# Altium PCB ImmPCB2.PCBDOC (part 1 of 4) (continued)
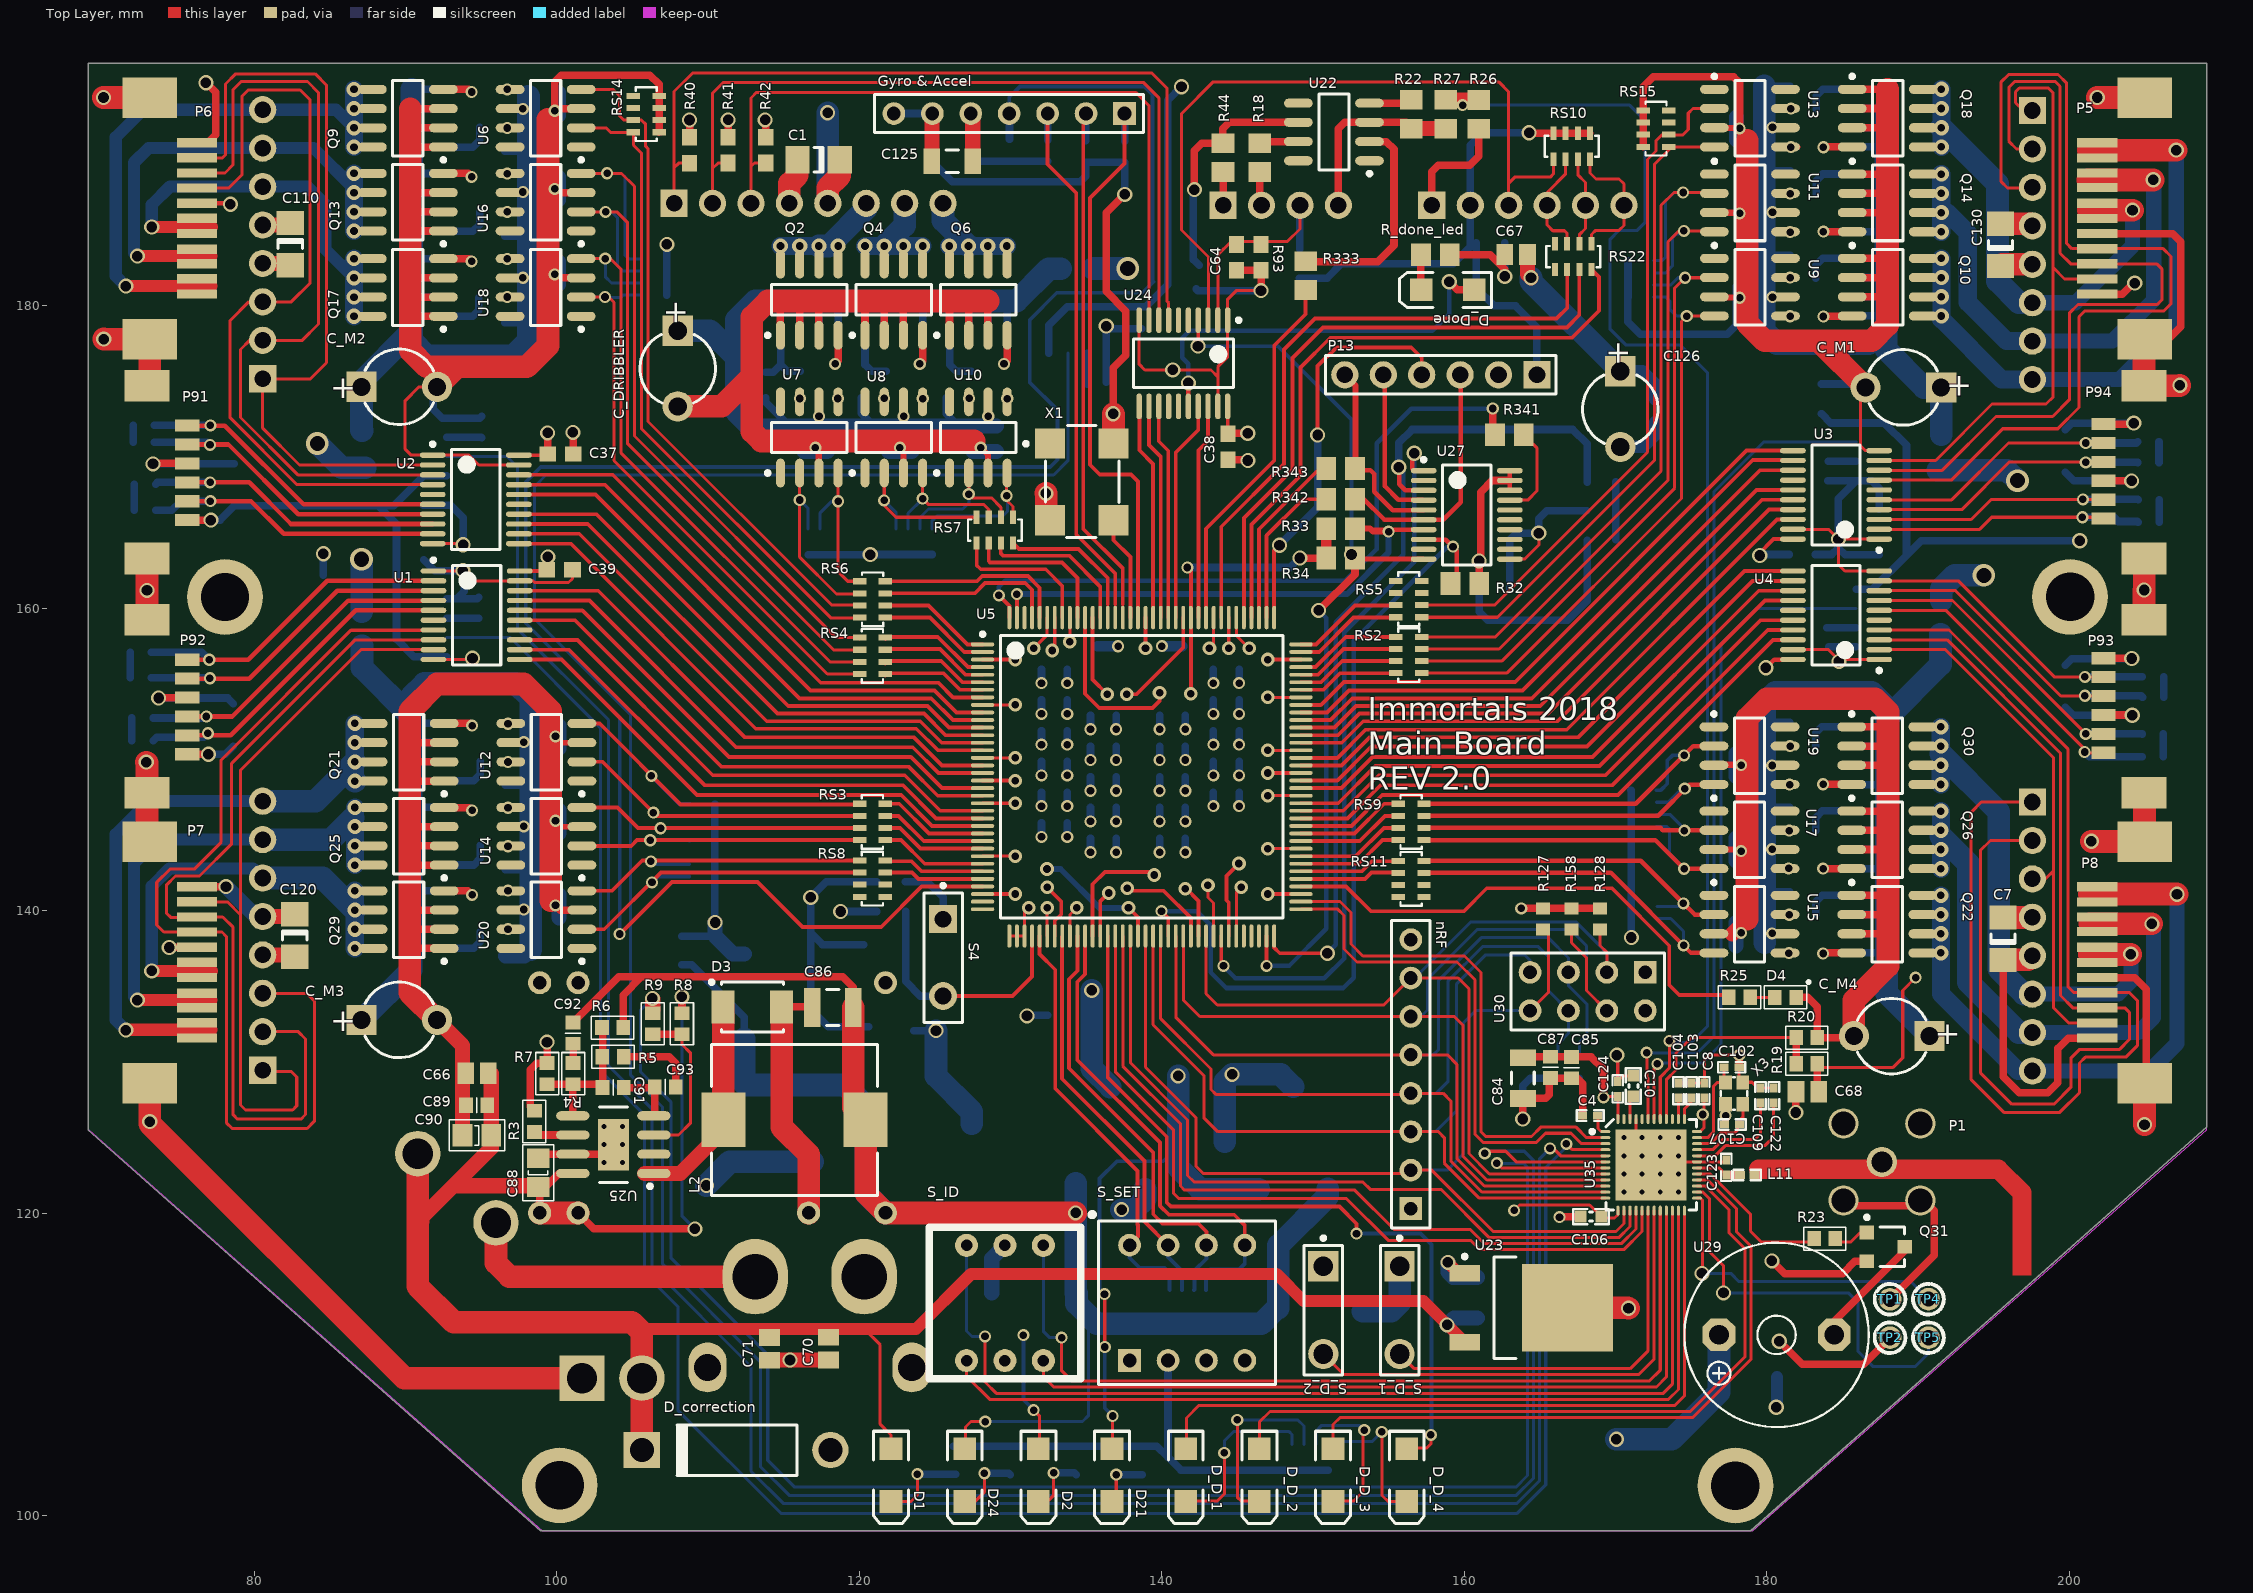
[diagram p0: Top Layer view]
## Components (designator, comment, footprint, x,y, rotation, side; value= is the part's Value field where it differs from the comment)
B1 "XT60PW" XT60PW 113.13,115.8 r0 bottom
Booster "S6B-XH-A" S6B-XH-A 165.482,186.62 r0 bottom
C1 "Cap 100nF 1206" C1206#1 117.32,189.63 r180 top
C2 "Cap 100nF 1206" C1206#1 78.64,152.27 r90 bottom
C3 "Cap 100nF 1206" C1206#1 78.69,168.15 r90 bottom
C4 "Cap 100nF 0402" CAPC1005X04L 168.33,126.44 r180 top
C5 "Cap 100nF 1206" C1206#1 179.27,109.15 r0 bottom
C6 "Cap 100nF 1206" C1206#1 199.53,154.83 r270 bottom
C7 "Cap 100nF 1206" C1206#1 195.62,138.14 r90 top
C8 "Cap 100nF 0402" CAPC1005X04L 175.87,128.1 r90 top
C9 "Cap 100nF 1206" C1206#1 199.55,170.38 r270 bottom
C10 "Cap 1uF 0603" CAPC1608X06L 171.18,128.4 r270 top
C11 "Cap 1uF 0603" 1608[0603]#1 140.716,150.876 r180 bottom
C12 "Cap 100nF 0603" 1608[0603]#1 140.716,146.812 r180 bottom
C13 "Cap 10nF 0603" 1608[0603]#1 140.716,152.908 r180 bottom
C14 "Cap 1uF 0603" 1608[0603]#1 144.272,153.924 r0 bottom
C15 "Cap 10nF 0603" 1608[0603]#1 144.272,147.828 r0 bottom
C16 "Cap 100nF 0603" 1608[0603]#1 144.272,149.86 r0 bottom
C17 "Cap 100nF 0603" 1608[0603]#1 132.906,149.86 r180 bottom
C18 "Cap 100nF 0603" 1608[0603]#1 132.906,153.924 r180 bottom
C19 "Cap 100nF 0603" 1608[0603]#1 117.894,171.188 r90 bottom
C20 "Cap 100nF 1206" C1206#2 121.99,132.66 r180 bottom
C21 "Cap 100nf 0805" 2012[0805] 161.72,183.61 r0 bottom
C22 "Cap 1uF 0603" 1608[0603]#1 116.37,171.188 r90 bottom
C23 "Cap 1uF 0603" 1608[0603]#1 132.906,145.796 r180 bottom
C24 "Cap 10nF 0603" 1608[0603]#1 144.272,155.956 r0 bottom
C25 "Cap 10nF 0603" 1608[0603]#1 132.906,155.956 r180 bottom
C26 "Cap 100nF 0603" 1608[0603]#1 121.958,171.188 r90 bottom
C27 "Cap 1uF 0603" 1608[0603]#1 123.482,171.188 r90 bottom
C28 "Cap 100nF 0603" 1608[0603]#1 127.546,171.188 r90 bottom
C29 "Cap 1uF 0603" 1608[0603]#1 129.07,171.188 r90 bottom
C30 "Cap 100nF 0603" 1608[0603]#1 99.27,194.084 r180 bottom
C31 "Cap 10uF 1206" C1206#2 142.75,127.05 r180 bottom
C32 "Cap 1uF 0603" 1608[0603]#1 99.27,192.56 r180 bottom
C33 "Cap 10nF 0603" 1608[0603]#1 136.144,152.908 r180 bottom
C34 "Cap 100nF 0603" 1608[0603]#1 136.144,146.812 r180 bottom
C35 "Cap 10nF 0603" 1608[0603]#1 136.144,144.78 r180 bottom
C36 "Cap 1uF 0603" 1608[0603]#1 136.144,150.876 r180 bottom
C37 "Cap 100nF 0603" 1608[0603]#1 100.26,170.17 r180 top
C38 "Cap 100nF 0603" 1608[0603]#1 144.38,170.66 r90 top
C39 "Cap 100nF 0603" 1608[0603]#1 100.2,162.53 r180 top
C40 "Cap 100nF 0603" 1608[0603]#1 178.852,179.758 r0 bottom
C41 "Cap 1uF 0603" 1608[0603]#1 178.852,181.282 r0 bottom
C42 "Cap 100nF 0603" 1608[0603]#1 99.27,186.972 r180 bottom
C43 "Cap 1uF 0603" 1608[0603]#1 99.27,188.496 r180 bottom
C44 "Cap 100nF 0603" 1608[0603]#1 178.852,185.346 r0 bottom
C45 "Cap 1uF 0603" 1608[0603]#1 178.852,186.87 r0 bottom
C46 "Cap 100nF 0603" 1608[0603]#1 99.27,181.384 r180 bottom
C47 "Cap 1uF 0603" 1608[0603]#1 99.27,182.908 r180 bottom
C48 "Cap 100nF 0603" 1608[0603]#1 178.852,190.934 r0 bottom
C49 "Cap 1uF 0603" 1608[0603]#1 178.852,192.458 r0 bottom
C50 "Cap 100nF 0603" 1608[0603]#1 99.32,150.702 r180 bottom
C51 "Cap 1uF 0603" 1608[0603]#1 99.32,152.226 r180 bottom
C52 "Cap 100nF 0603" 1608[0603]#1 178.822,137.678 r0 bottom
C53 "Cap 1uF 0603" 1608[0603]#1 178.822,139.202 r0 bottom
C54 "Cap 100nF 0603" 1608[0603]#1 99.32,146.638 r180 bottom
C55 "Cap 1uF 0603" 1608[0603]#1 99.32,145.114 r180 bottom
C56 "Cap 100nF 0603" 1608[0603]#1 178.822,143.266 r0 bottom
C57 "Cap 1uF 0603" 1608[0603]#1 178.822,144.79 r0 bottom
C58 "Cap 100nF 0603" 1608[0603]#1 99.32,139.526 r180 bottom
C59 "Cap 1uF 0603" 1608[0603]#1 99.32,141.05 r180 bottom
C60 "Cap 100nF 0603" 1608[0603]#1 178.822,150.378 r0 bottom
C61 "Cap 1uF 0603" 1608[0603]#1 178.822,148.854 r0 bottom
C62 "Cap 10uF 1206" C1206#2 133.83,133.07 r0 bottom
C63 "Cap 100nF 0805" C0805#1 108.27,137.36 r90 bottom
C64 "Cap 100nF 0603" 1608[0603]#1 144.94,183.18 r90 top
C65 "Cap 100nF 0805" C0805#1 183.62,173.8 r90 bottom
C66 "Cap 1uF 0805" C0805#2 94.74,129.24 r180 top
C67 "Cap 1uF 0805" C0805#2 163.43,183.38 r180 top
C68 "Cap 1uF 0805" C0805#2 182.68,128.02 r180 top
C69 "Cap 1uF 0805" C0805#2 85.34,162.18 r180 bottom
C70 "Cap 1uF 0805" C0805#2 117.97,111.04 r270 top
C71 "Cap 1uF 0805" C0805#2 114.08,111.03 r270 top
C72 "Cap 100nF 0805" C0805#1 162.05,161.29 r0 bottom
C73 "Cap 10nF 0603" 1608[0603]#1 140.716,148.844 r180 bottom
C74 "Cap 10nF 0603" 1608[0603]#1 140.716,144.78 r180 bottom
C75 "Cap 10nF 0603" 1608[0603]#1 136.144,148.844 r180 bottom
C76 "Cap 100nF 0603" 1608[0603]#1 182.35,163.54 r180 bottom
C77 "Cap 10nF 0603" 1608[0603]#1 132.906,151.892 r180 bottom
C78 "Cap 10nF 0603" 1608[0603]#1 132.906,147.828 r180 bottom
C79 "Cap 10nF 0603" 1608[0603]#1 144.272,151.892 r0 bottom
C80 "Cap 100uF 2512" 6332[2512] 138.564,157.48 r180 bottom
C81 "Cap 1uF 0805" C0805#2 172.62,173.03 r270 bottom
C82 "Cap 100nF 0603" C0603 159,114.45 r270 bottom
C83 "Cap 10uF 1206" C1206#2 160.86,114.41 r270 bottom
C84 "Cap 10uF 1206" C1206#2 163.88,128.93 r90 top
C85 "Cap 100nF 0603" C0603 167.1,129.62 r90 top
C86 "Cap 100uF 1210" C1210 118.26,133.59 r0 top
C87 "Cap 100nF 0603" C0603 165.7,129.63 r90 top
C88 "Cap 10uF 0805" C[0805] 98.92,122.6 r90 top
C89 "Cap 220nF 0603" C0603 94.71,127.13 r180 top
C90 "Cap 10uF 0805" C[0805] 94.81,125.27 r180 top
C91 "Cap 220pF 0603" C0603 103.74,128.3 r0 top
C92 "Cap 6.8nF 0603" C0603 101.08,131.9 r270 top
C93 "Cap 100nF 0603" C0603 107.18,128.34 r180 top
C94 "Cap 1nF 0603" 1608[0603]#2 72.51,157.08 r0 bottom
C95 "Cap 1nF 0603" 1608[0603]#2 205.24,165.68 r180 bottom
C96 "Cap 1nF 0603" 1608[0603]#2 72.63,152.73 r0 bottom
C97 "Cap 1nF 0603" 1608[0603]#2 205.23,169.62 r180 bottom
C98 "Cap 1nF 0603" 1608[0603]#2 72.72,172.07 r0 bottom
C99 "Cap 1nF 0603" 1608[0603]#2 205.51,150.37 r180 bottom
C100 "Cap 1nF 0603" 1608[0603]#2 72.79,168.19 r0 bottom
C101 "Cap 1nF 0603" 1608[0603]#2 205.54,154.11 r180 bottom
C102 "Cap 12pF 0402" CAPC1005X04L 177.68,129.64 r0 top
C103 "Cap 12pF 0402" CAPC1005X04L 175.02,128.1 r90 top
C104 "Cap 12pF 0402" CAPC1005X04L 174.17,128.1 r90 top
C106 "Cap 4.7uF 0603" CAPC1608X06L 168.39,119.77 r180 top
C107 "Cap 12pF 0402" CAPC1005X04L 177.71,125.86 r180 top
C109 "Cap 100pF 0402" CAPC1005X04L 179.58,127.77 r90 top
C110 "Cap 100nF 1206" C1206#1 82.4,184.06 r270 top
C111 "Cap 100nF 0603" 1608[0603]#2 138.69,179.16 r270 bottom
C112 "Cap 1nF 0603" 1608[0603]#2 135.77,174.79 r0 bottom
C113 "Cap 100nF 0603" 1608[0603]#2 90.51,166.91 r0 bottom
C114 "Cap 100nF 0603" 1608[0603]#2 188.14,166.53 r180 bottom
C115 "Cap 1nF 0603" 1608[0603]#2 95.04,171.92 r90 bottom
C116 "Cap 1nF 0603" 1608[0603]#2 183.99,169.06 r270 bottom
C117 "Cap 100nF 0603" 1608[0603]#2 90.52,163.19 r0 bottom
C118 "Cap 100nF 0603" 1608[0603]#2 188.15,163.52 r180 bottom
C119 "Cap 1nF 0603" 1608[0603]#2 94.85,160.01 r90 bottom
C120 "Cap 100nF 1206" C1206#1 82.69,138.35 r270 top
C121 "Cap 1nF 0603" 1608[0603]#2 183.97,158.05 r270 bottom
C122 "N.C." CAPC1005X04L 180.47,127.77 r270 top
C123 "Cap 0.8pF 0402" CAPC1005X04L 177.32,123.02 r270 top
C124 "Cap 100nF 0402" CAPC1005X04L 170.15,128.21 r90 top
C125 "Cap 100nF 1206" C1206#2 126.16,189.53 r0 top
C126 "Cap 680uF dip" CAPPR5-5x5 170.32,173.15 r270 top
C130 "Cap 100nF 1206" C1206#1 195.46,184 r90 top
C_1 "Cap 100uF 2512" 6332[2512] 131.57,114.71 r180 bottom
C_16 "Cap 100uF 2512" 6332[2512] 112.44,125.74 r270 bottom
C_17 "Cap 100uF 2512" 6332[2512] 150.51,113.52 r0 bottom
C_19 "Cap 100uF 2512" 6332[2512] 112.41,134.33 r90 bottom
C_DRIBBLER "Cap 680uF dip" CAPPR5-5x5 108.01,175.83 r270 top
C_IR "Cap 100nF 0805" C0805#1 142.49,181.7 r270 bottom
C_M1 "Cap 680uF dip" CAPPR5-5x5 189.03,174.58 r180 top
C_M2 "Cap 680uF dip" CAPPR5-5x5 89.6,174.62 r0 top
C_M3 "Cap 680uF dip" CAPPR5-5x5 89.6,132.77 r0 top
C_M4 "Cap 680uF dip" CAPPR5-5x5 188.26,131.7 r180 top
D1 "LED Red 1206" "3.2X1.6X1.1 - RED" 122.11,102.68 r270 top
D2 "LED Green 1206" "3.2X1.6X1.1 - GREEN" 131.85,102.68 r270 top
D3 "SSB44" DIOM4336X24N 112.95,133.63 r0 top
D4 "LED Red 0603" "LED 0603" 181.24,134.26 r0 top
D21 "LED White 1206" "3.2X1.6X1.1 - WHITE" 136.72,102.68 r270 top
D24 "LED Yellow 1206" "3.2X1.6X1.1 - YELLOW" 126.98,102.68 r270 top
D_correction "1.5KE20" DO-41 112.87,104.34 r180 top
D_D_1 "LED Red 1206" "3.2X1.6X1.1 - RED" 141.59,102.68 r270 top
D_D_2 "LED Yellow 1206" "3.2X1.6X1.1 - YELLOW" 146.46,102.68 r270 top
D_D_3 "LED Green 1206" "3.2X1.6X1.1 - GREEN" 151.33,102.68 r270 top
D_D_4 "LED Blue 1206" "3.2X1.6X1.1 - BLUE" 156.2,102.68 r270 top
D_Done "LED Green 1206" "3.2X1.6X1.1 - GREEN" 158.92,181.03 r180 top
Dribbler "S8B-XH-A" S8B-XH-A-1 115.39,186.75 r0 bottom
"Gyro & Accel" "N.C." Gyro_7pin 137.54,192.69 r0 top
IR "S4B-XH-A" S4B-XH-A 151.682,186.62 r0 bottom (schematic designator P2)
L2 "Inductor 22uH" INDP110100X50N 115.73,126.16 r180 top
L11 "Inductor 3.9nH 0402" INDC1005X04L 178.7,122.52 r0 top
MikonaPOW "DS1072-2M-R" DS1072-2M&F-R 101.68,109.09 r0 bottom
MOTOR_1 "S8B-XH-A" S8B-XH-A-1 197.56,185.265 r270 bottom
MOTOR_2 "S8B-XH-A" S8B-XH-A-1 80.57,182.78 r90 bottom
MOTOR_3 "S8B-XH-A" S8B-XH-A-1 80.57,137.07 r90 bottom
MOTOR_4 "S8B-XH-A" S8B-XH-A-1 197.56,139.555 r270 bottom
nRF "N.C." HDR1X8 156.47,120.3 r90 top
P1 "SMA Right" "SMA Right" 187.61,123.38 r90 top
P4 "Rocker Switch" Rocker_SW 95.99,119.36 r138.5 bottom
P5 "TYCO" TYCO 201.85,180.752 r90 top
P6 "TYCO" TYCO 76.23,190.76 r270 top
P7 "TYCO" TYCO 76.23,141.58 r270 top
P8 "TYCO" TYCO 201.85,131.572 r90 top
P13 "Male Header 6-pin" HDR1X6 164.81,175.42 r180 top
P91 "Molex PicoBlade 6 Right" "Molex PicoBlade 6 Right SMD" 75.59,165.81 r90 top
P92 "Molex PicoBlade 6 Right" "Molex PicoBlade 6 Right SMD" 75.59,150.33 r90 top
P93 "Molex PicoBlade 6 Right" "Molex PicoBlade 6 Right SMD" 202.27,156.68 r270 top
P94 "Molex PicoBlade 6 Right" "Molex PicoBlade 6 Right SMD" 202.27,172.16 r270 top
Q1 "FDS4435" SO-8_L 116.714,180.381 r90 bottom
Q2 "FDD4410" SO-8_L 116.708,180.381 r90 top
Q3 "FDS4435" SO-8_L 122.292,180.381 r90 bottom
Q4 "FDD4410" SO-8_L 122.296,180.381 r90 top
Q5 "FDS4435" SO-8_L 127.886,180.381 r90 bottom
Q6 "FDD4410" SO-8_L 127.884,180.381 r90 top
Q7 "FDS4435" SO-8_L 90.17,192.38 r180 bottom
Q8 "FDS4435" SO-8_L 187.996,181.208 r0 bottom
Q9 "FDD4410" SO-8_L 90.17,192.378 r180 top
Q10 "FDD4410" SO-8_L 187.996,181.208 r0 top
Q11 "FDS4435" SO-8_L 90.17,186.821 r180 bottom
Q12 "FDS4435" SO-8_L 187.996,186.786 r0 bottom
Q13 "FDD4410" SO-8_L 90.17,186.826 r180 top
Q14 "FDD4410" SO-8_L 187.996,186.778 r0 top
Q15 "FDS4435" SO-8_L 90.17,181.185 r180 bottom
Q16 "FDS4435" SO-8_L 187.996,192.388 r0 bottom
Q17 "FDD4410" SO-8_L 90.17,181.19 r180 top
Q18 "FDD4410" SO-8_L 187.996,192.386 r0 top
Q19 "FDS4435" SO-8_L 90.22,150.47 r180 bottom
Q20 "FDS4435" SO-8_L 187.97,139.108 r0 bottom
Q21 "FDD4410" SO-8_L 90.22,150.466 r180 top
Q22 "FDD4410" SO-8_L 187.966,139.102 r0 top
Q23 "FDS4435" SO-8_L 90.22,144.912 r180 bottom
Q24 "FDS4435" SO-8_L 187.97,144.678 r0 bottom
Q25 "FDD4410" SO-8_L 90.22,144.91 r180 top
Q26 "FDD4410" SO-8_L 187.966,144.672 r0 top
Q27 "FDS4435" SO-8_L 90.22,139.402 r180 bottom
Q28 "FDS4435" SO-8_L 187.966,150.228 r0 bottom
Q29 "FDD4410" SO-8_L 90.22,139.4 r180 top
Q30 "FDD4410" SO-8_L 187.966,150.24 r0 top
Q31 "MMBT2222" SOT23 187.87,117.77 r270 top
R1 "Res 1K 0805" 2012[0805] 126.37,103.95 r90 bottom
R2 "Res 1K 0805" 2012[0805] 134.37,103.93 r270 bottom
R2.5 "Res 82 1206" 3216[1206] 142.78,124.71 r180 bottom
R3 "N.I" R0603 98.53,126.06 r270 top
R4 "Res 130 0603" R0603 101.09,129.22 r90 top
R5 "Res 680 0603" R0603 103.73,130.34 r0 top
R6 "Res 5.1K 0603" R0603 103.7,132.26 r0 top
R7 "Res 698 0603" R0603 99.37,129.22 r270 top
R8 "N.I" R0603 108.29,132.52 r270 top
R9 "Res 0 0603" R0603 106.36,132.52 r270 top
R10 "Res 120 0603" 1608[0603]#2 72.51,155.4 r180 bottom
R11 "Res 120 0603" 1608[0603]#2 205.25,167.15 r0 bottom
R12 "Res 120 0603" 1608[0603]#2 72.63,151.22 r180 bottom
R13 "Res 120 0603" 1608[0603]#2 205.22,171 r0 bottom
R14 "Res 120 0603" 1608[0603]#2 72.72,170.79 r180 bottom
R15 "Res 120 0603" 1608[0603]#2 205.51,151.71 r0 bottom
R16 "Res 120 0603" 1608[0603]#2 72.79,166.46 r180 bottom
R17 "Res 120 0603" 1608[0603]#2 205.53,155.47 r0 bottom
R18 "Res 220 0805" 2012[0805] 146.49,189.77 r270 top (schematic designator R333)
R19 "Res 27K 0603" R0603 182.64,129.87 r0 top
R20 "Res 3.6K 0603" R0603 182.64,131.6 r180 top
R21 "Res 1K 0805" 2012[0805] 138.65,103.92 r270 bottom
R22 "Res 200 0805" 2012[0805] 156.49,192.64 r270 top
R23 "Res 100 0603" R0603 183.83,118.31 r180 top
R24 "Res 1K 0805" 2012[0805] 129.99,103.93 r270 bottom
R25 "Res 330 0603" R0603 178.2,134.27 r0 top
R26 "Res 1K 0805" 2012[0805] 160.96,192.63 r270 top (schematic designator R31)
R27 "Res 1K 0805" 2012[0805] 158.77,192.64 r270 top (schematic designator R31)
R30 "1K Array" RES-0603x4 148.61,104.7 r0 bottom
R31 "Res 100 0805" 2012[0805] 169.07,168.33 r0 bottom
R32 "Res 4.7K 0805" 2012[0805] 160.04,161.62 r180 top
R33 "Res 4.7K 0805" 2012[0805] 151.832,165.248 r180 top
R34 "Res 330 0805" 2012[0805] 151.832,163.304 r0 top
R40 "Res 1K 0603" 1608[0603]#1 108.79,190.26 r270 top
R41 "Res 1K 0603" 1608[0603]#1 111.34,190.27 r270 top
R42 "Res 1K 0603" 1608[0603]#1 113.83,190.27 r270 top
R44 "Res 220 0805" 2012[0805] 144.05,189.77 r90 top
R47 "Res 50 0603" 1608[0603]#1 115.862,174.744 r90 bottom
R48 "Res 50 0603" 1608[0603]#1 118.492,174.744 r90 bottom
R49 "Res 50 0603" 1608[0603]#1 121.788,174.744 r90 bottom
R50 "Res 50 0603" 1608[0603]#1 124.08,174.744 r90 bottom
R51 "Res 50 0603" 1608[0603]#1 127.396,174.744 r90 bottom
R52 "Res 50 0603" 1608[0603]#1 129.668,174.744 r90 bottom
R55 "Res 10K 0805" 2012[0805] 149.1,182.76 r270 bottom
R59 "Res 50 0603" 1608[0603]#1 95.714,191.794 r180 bottom
R60 "Res 50 0603" 1608[0603]#1 182.408,181.78 r0 bottom
R61 "Res 50 0603" 1608[0603]#1 95.714,194.084 r180 bottom
R62 "Res 50 0603" 1608[0603]#1 182.408,179.25 r0 bottom
R65 "Res 50 0603" 1608[0603]#1 95.714,186.236 r180 bottom
R66 "Res 50 0603" 1608[0603]#1 182.408,187.378 r0 bottom
R67 "Res 50 0603" 1608[0603]#1 95.714,188.496 r180 bottom
R68 "Res 50 0603" 1608[0603]#1 182.408,184.918 r0 bottom
R71 "Res 50 0603" 1608[0603]#1 95.714,180.508 r180 bottom
R72 "Res 50 0603" 1608[0603]#1 182.408,192.966 r0 bottom
R73 "Res 50 0603" 1608[0603]#1 95.714,182.908 r180 bottom
R74 "Res 50 0603" 1608[0603]#1 182.408,190.416 r0 bottom
R77 "Res 50 0603" 1608[0603]#1 95.764,149.866 r180 bottom
R78 "Res 50 0603" 1608[0603]#1 182.378,139.67 r0 bottom
R79 "Res 50 0603" 1608[0603]#1 95.764,152.226 r180 bottom
R80 "Res 50 0603" 1608[0603]#1 182.378,137.17 r0 bottom
R83 "Res 50 0603" 1608[0603]#1 95.764,144.298 r180 bottom
R84 "Res 50 0603" 1608[0603]#1 182.378,145.238 r0 bottom
R85 "Res 50 0603" 1608[0603]#1 95.764,146.748 r180 bottom
R86 "Res 50 0603" 1608[0603]#1 182.378,142.818 r0 bottom
R89 "Res 50 0603" 1608[0603]#1 95.764,138.83 r180 bottom
R90 "Res 50 0603" 1608[0603]#1 182.378,150.806 r0 bottom
R91 "Res 50 0603" 1608[0603]#1 95.764,141.1 r180 bottom
R92 "Res 50 0603" 1608[0603]#1 182.378,148.376 r0 bottom
R93 "Res 470 0603" 1608[0603]#1 146.57,183.18 r90 top
R122 "Res 100 0805" 2012[0805] 122.1,141.9 r0 bottom
R127 "Res 10K 0603" 1608[0603]#2 165.21,139.44 r270 top
R128 "Res 10K 0603" 1608[0603]#2 168.98,139.44 r270 top
R129 "Res 5.6K 0603" 1608[0603]#1 113.83,174.744 r90 bottom
R130 "Res 5.6K 0603" 1608[0603]#1 120.144,174.744 r90 bottom
R135 "Res 5.6K 0603" 1608[0603]#1 125.762,174.744 r90 bottom
R136 "Res 5.6K 0603" 1608[0603]#1 95.714,190.19 r180 bottom
R137 "Res 5.6K 0603" 1608[0603]#1 182.408,183.314 r0 bottom
R138 "Res 5.6K 0603" 1608[0603]#1 95.714,184.582 r180 bottom
R139 "Res 5.6K 0603" 1608[0603]#1 182.408,188.902 r0 bottom
R140 "Res 5.6K 0603" 1608[0603]#1 95.714,178.844 r180 bottom
R141 "Res 5.6K 0603" 1608[0603]#1 182.408,194.53 r0 bottom
R142 "Res 5.6K 0603" 1608[0603]#1 95.764,148.292 r180 bottom
R143 "Res 5.6K 0603" 1608[0603]#1 182.378,141.234 r0 bottom
R144 "Res 5.6K 0603" 1608[0603]#1 95.764,142.694 r180 bottom
R145 "Res 5.6K 0603" 1608[0603]#1 182.378,146.822 r0 bottom
R146 "Res 5.6K 0603" 1608[0603]#1 95.764,136.986 r180 bottom
R147 "Res 5.6K 0603" 1608[0603]#1 182.378,152.46 r0 bottom
R149 "Res 1K 0603" 1608[0603]#2 134.99,190.18 r90 bottom
R150 "Res 1K 0603" 1608[0603]#2 137.56,190.17 r90 bottom
R155 "Res 1K 0603" 1608[0603]#2 129.94,190.29 r270 bottom
R156 "Res 10K 0603" 1608[0603]#2 166.208,129.63 r270 bottom
R157 "Res 10K 0603" 1608[0603]#2 167.608,129.62 r270 bottom
R158 "Res 10K 0603" 1608[0603]#2 167.095,139.44 r270 top
R159 "Res 1K 0603" 1608[0603]#2 132.48,190.24 r270 bottom
R333 "Res 200 0805" 2012[0805] 149.52,181.97 r270 top
R341 "Res 68 0805" 2012[0805] 162.984,171.46 r180 top
R342 "Res 68 0805" 2012[0805] 151.832,167.192 r180 top
R343 "Res 68 0805" 2012[0805] 151.832,169.224 r180 top
R345 "Res 100 0805" 2012[0805] 169.08,164.494 r0 bottom
R346 "Res 100 0805" 2012[0805] 169.06,166.42 r0 bottom
R(rst) "Res 1K 0805" 2012[0805] 122.12,139.94 r0 bottom
R_done_led "Res 1K 0805" 2012[0805] 158.09,183.36 r180 top
RS1 "10K Array" RES-4B 141.74,114.06 r180 bottom
RS2 "220R Array" RES-4B 156.33,156.89 r270 top
RS3 "220R Array" RES-4B 120.88,145.86 r270 top
RS4 "220R Array" RES-4B 120.88,156.84 r90 top
RS5 "220R Array" RES-4B 156.33,160.59 r270 top
RS6 "220R Array" RES-4B 120.89,160.57 r90 top
RS7 "220R Array" RES-4B 128.97,165.15 r180 top
RS8 "220R Array" RES-4B 120.88,142.11 r270 top
RS9 "220R Array" RES-4B 156.49,145.86 r270 top
RS10 "10k Array" RES-4B 167.11,190.52 r180 top
RS11 "220R Array" RES-4B 156.49,142.09 r270 top
RS12 "10K Array" RES-4B 123.63,164.39 r0 bottom
RS13 "10K Array" RES-4B 109.62,141.86 r90 bottom
RS14 "10K Array" RES-4B 105.93,192.65 r270 top
RS15 "10K Array" RES-4B 172.68,191.69 r90 top
RS16 "10K Array" RES-4B 171.87,146.76 r90 bottom
RS17 "10K Array" RES-4B 117.83,164.38 r180 bottom
RS18 "10K Array" RES-4B 109.63,145.84 r90 bottom
RS19 "10K Array" RES-4B 171.68,181.76 r270 bottom
RS20 "10K Array" RES-4B 171.88,140.68 r90 bottom
RS21 "10K Array" RES-4B 106.44,181.88 r270 bottom
RS22 "220R Array" RES-4B 167.21,183.23 r0 top
RST_CAP_1 "Cap 1uF 1206" 3216[1206] 121.7,137.74 r0 bottom
S4 "SW-PB" SPST-2#1 125.55,136.89 r270 top
S_D_1 "SW-PB" SPST-2#2 155.73,113.59 r270 top
S_D_2 "SW-PB" SPST-2#2 150.69,113.59 r270 top
S_ID "ERD116RSZ" ERD116RSZ 127.1,110.25 r0 top
S_SET "SW-DIP4" DIP-8-SW 141.69,114.07 r0 top
TP1 "TP" TP 187.9,114.31 r0 top
TP2 "TP" TP 187.9,111.77 r0 top
TP4 "TP" TP 190.44,114.317 r0 top
TP5 "TP" TP 190.44,111.77 r0 top
U1 "SN74HC541PW" PW020_N 94.71,159.52 r0 top
U2 "SN74HC541PW" PW020_N 94.66,167.18 r0 top
U3 "SN74HC541PW" PW020_N 184.58,167.48 r180 top
U4 "SN74HC541PW" PW020_N 184.58,159.52 r180 top
U5 "XC3S400-5TQ144C" TQ144_L 138.684,148.844 r0 top
U6 "MIC4428BM" NSO8_L 99.276,192.378 r180 top
U7 "MIC4428BM" NSO8_L 116.708,171.275 r90 top
U8 "MIC4428BM" NSO8_L 122.296,171.275 r90 top
U9 "MIC4428BM" NSO8_L 178.89,181.208 r0 top
U10 "MIC4428BM" NSO8_L 127.884,171.275 r90 top
U11 "MIC4428BM" NSO8_L 178.89,186.778 r0 top
U12 "MIC4428BM" NSO8_L 99.326,150.466 r180 top
U13 "MIC4428BM" NSO8_L 178.89,192.386 r0 top
U14 "MIC4428BM" NSO8_L 99.326,144.91 r180 top
U15 "MIC4428BM" NSO8_L 178.86,139.102 r0 top
U16 "MIC4428BM" NSO8_L 99.276,186.826 r180 top
U17 "MIC4428BM" NSO8_L 178.86,144.672 r0 top
U18 "MIC4428BM" NSO8_L 99.276,181.19 r180 top
U19 "MIC4428BM" NSO8_L 178.86,150.24 r0 top
U20 "MIC4428BM" NSO8_L 99.326,139.4 r180 top
U21 "LF25ABDT" TO-252 148.69,124.97 r180 bottom
U22 "MIC4428BM" NSO8_L 151.39,191.47 r180 top
U23 "LD1086DT33" DPAK 164.43,113.75 r0 top
U24 "SN74HC541PW" PW020_N 141.44,176.18 r270 top
U25 "A7986" HSOP8 103.75,124.53 r180 top
U26 "FAN1112" TO-252 136.61,124.96 r180 bottom
U27 "XCF04SVO20C" VO20_N 160.168,166.156 r0 top
U28 "ACS712ELCTR-30A-T" SOIC_8 132.53,182.45 r270 bottom
U29 "Small Buzzer" my_BUZZER 184.46,111.95 r180 top
U30 "NRF24L01" NRF24L01 171.97,135.92 r270 top
U31 "ACS712ELCTR-30A-T" SOIC_8 87.13,168.74 r0 bottom
U32 "ACS712ELCTR-30A-T" SOIC_8 191.53,172.23 r180 bottom
U33 "ACS712ELCTR-30A-T" SOIC_8 87.13,156.79 r0 bottom
U34 "ACS712ELCTR-30A-T" SOIC_8 191.51,161.24 r180 bottom
U35 "nRF52832-QFAA" QFN40P600X600X90-48N 172.36,123.19 r0 top
VR_3.3 "AMS1085CM-3.3" 936-03 122.19,125.93 r90 bottom
X1 "36.864MHz" QSMO_4200 132.216,170.88 r270 top
X3 "XTAL 32MHz" BT-XTAL_2016 177.84,127.91 r90 top

## Footprints (in the part's own frame and the unit in brackets; to place one, negate y for a bottom-side part, rotate by r counter-clockwise, add the part's x,y. Pads: shape width x height; smd on the part's side, far side on the other; paste and mask are expansions set on the pad)
"3.2X1.6X1.1 - BLUE" [mm]
  rect 1.5x1.5 smd: 1(-1.75,0) 2(1.75,0)
  silkscreen extent -2.9,-1.15 3.2,1.15, body extent -1.6,-0.8 1.6,0.8, height 0.8
"3.2X1.6X1.1 - GREEN" [mm]
  rect 1.5x1.5 smd: 1(-1.75,0) 2(1.75,0)
  silkscreen extent -2.9,-1.15 3.2,1.15, body extent -1.6,-0.8 1.6,0.8, height 0.8
"3.2X1.6X1.1 - RED" [mm]
  rect 1.5x1.5 smd: 1(-1.75,0) 2(1.75,0)
  silkscreen extent -2.9,-1.15 3.2,1.15, body extent -1.6,-0.8 1.6,0.8, height 0.8
"3.2X1.6X1.1 - WHITE" [mm]
  rect 1.5x1.5 smd: 1(-1.75,0) 2(1.75,0)
  silkscreen extent -2.9,-1.15 3.2,1.15, body extent -1.6,-0.8 1.6,0.8, height 0.8
"3.2X1.6X1.1 - YELLOW" [mm]
  rect 1.5x1.5 smd: 1(-1.75,0) 2(1.75,0)
  silkscreen extent -2.9,-1.15 3.2,1.15, body extent -1.6,-0.8 1.6,0.8, height 0.8
936-03 [mm]
  rect 1x2.6 smd: 1(-2.54,-5.25) 3(2.54,-5.25)
  rect 10.2x7.3 smd: 4(0,5.25)
  silkscreen extent -5.4,-6.45 5.4,8.8
1608[0603]#1 [mm] "Chip Capacitor; Body 1.6 x 0.8 mm (LxW typ)"
  rect 1.1x1 smd: 1(-0.85,0) 2(0.85,0)
1608[0603]#2 [mm] "Chip Capacitor, Body 1.6x0.8mm, IPC High Density"
  rect 0.8x0.9 smd: 1(-0.7,0) 2(0.7,0)
  body extent -0.87,-0.48 0.87,0.48, height 1.3
2012[0805] [mm] "Chip Resistor; Body 2.0 x 1.3 mm (LxW typ)"
  rect 1.3x1.5 smd: 1(-0.95,0) 2(0.95,0)
3216[1206] [mm]
  rect 1.6x1.8 smd: 1(-1.4,0) 2(1.4,0)
  silkscreen extent -0.3,-0.8 0.3,0.8
6332[2512] [mm] "Chip Resistor; Body 6.3 x 3.2 mm (LxW typ)"
  rect 1.8x3.2 smd: 1(-2.8,0) 2(2.8,0)
  silkscreen extent -1.6,-1.5 1.6,1.5
BT-XTAL_2016 [mm]
  rect 0.95x0.85 smd: 1(-0.725,-0.575) 2(0.725,-0.575) 3(0.725,0.575) 4(-0.725,0.575)
  silkscreen extent -1.08,-0.88 1.08,0.88
C0603 [mm]
  rect 0.9x1 smd: 1(-0.7,0) 2(0.7,0)
  silkscreen extent 0,-0.51 0,0.51, body extent -0.8,-0.4 0.8,0.4, height 0.3
C0805#1 [mm] "Chip Capacitor; Body 2.0 x 1.2 mm (LxW typ)"
  rect 1.3x1.5 smd: 1(-0.95,0) 2(0.95,0)
  silkscreen extent -1.9,-0.65 -1.9,0.65
C0805#2 [mm] "Chip Capacitor, Body 2.0x1.3mm, IPC High Density"
  rect 1.1x1.4 smd: 1(-0.75,0) 2(0.75,0)
  body extent -1.1,-0.72 1.1,0.72, height 1.4
C1206#1 [mm] "Chip Capacitor; Body 3.2 x 1.6 mm (LxW typ)"
  rect 1.6x1.8 smd: 1(-1.4,0) 2(1.4,0)
  silkscreen extent -0.3,-0.8 0.3,0.8
C1206#2 [mm] "Chip Capacitor, Body 3.2x1.6mm, IPC High Density"
  rect 1.1x1.7 smd: 1(-1.35,0) 2(1.35,0)
  silkscreen extent -0.4,-0.75 0.4,0.75, body extent -1.7,-0.9 1.7,0.9, height 1.3
C1210 [mm] "Chip Capacitor, Body 3.2x2.5mm, IPC High Density"
  rect 1.1x2.6 smd: 1(-1.35,0) 2(1.35,0)
  silkscreen extent -0.4,-1.2 0.4,1.2, body extent -1.7,-1.35 1.7,1.35, height 1.3
C[0805] [mm]
  rect 1.3x1.5 smd: 1(-0.874,0.127) 2(1.026,0.127)
  silkscreen extent -1.78,-0.89 1.91,1.14
CAPC1005X04L [mm]
  rect 0.6x0.5 smd: 1(-0.5,0) 2(0.5,0)
  silkscreen extent -0.9,-0.35 0.9,0.35, body extent -0.51,-0.25 0.51,0.25, height 0.5
CAPC1608X06L [mm]
  rect 0.75x0.8 smd: 1(-0.675,0) 2(0.675,0)
  silkscreen extent -1.18,-0.5 1.17,0.5, body extent -0.8,-0.43 0.8,0.43, height 0.8
CAPPR5-5x5 [mm]
  rect 2x2 hole 1.2: 1(-2.5,0)
  round 2 hole 1.2: 2(2.5,0)
  silkscreen extent -2.26,-2.5 2.27,2.5, body extent -4,-4 4,4, height 12
DIOM4336X24N [mm] "Molded Diode, 2-Leads, Body 4.31x3.62mm, IPC Medium Density"
  rect 1.52x2.18 smd: 1(-1.935,0) 2(1.935,0)
  silkscreen extent -2.82,-1.65 2.05,1.76, body extent -2.03,-1.65 2.03,1.65, height 2.44
DIP-8-SW [mm]
  rect 1.5x1.5 hole 0.9: 1(-3.81,-3.81)
  round 1.5 hole 0.9: 2(-1.27,-3.81) 3(1.27,-3.81) 4(3.81,-3.81) 5(3.81,3.81) 6(1.27,3.81) 7(-1.27,3.81) 8(-3.81,3.81)
  silkscreen extent -5.87,-5.38 5.84,5.41, body extent -5.86,-5.4 5.86,5.4, height 10.4
DO-41 [mm]
  round 2.4 hole 1.6: 1(-5.23,0)
  rect 2.4x2.4 hole 1.6: 2(7.23,0)
  silkscreen extent -3.02,-1.65 4.99,1.68, body extent -5.48,-1.7 7.52,1.7, height 3.9
DPAK [mm]
  rect 2x1.1 smd: 1(-4.4,2.28) 3(-4.4,-2.28)
  rect 6x5.8 smd: 2(2.4,0)
  silkscreen extent -4.52,-3.35 -1,3.5, body extent -4.95,-3.37 5.15,3.37, height 2.37
DS1072-2M&F-R [mm] "Right angle Mikona Power"
  rect 3x3 hole 2: 1(0,0)
  round 3 hole 2: 2(3.96,0)
  silkscreen extent -1.98,-16.97 5.94,2.31, body extent -1.98,-16.72 5.94,0.55, height 10.4
ERD116RSZ [mil] "Rotary Switch"
  round 60 hole 30: 1(0,0) 2(100,0) 3(200,0) 4(200,300) 5(100,300) 6(0,300)
  silkscreen extent -97,-47 329,382, body extent -96,-47 298,347, height 217
Gyro_7pin [mm] "Sparkfun gyro"
  rect 1.5x1.5 hole 0.9: 1(0,0)
  round 1.5 hole 0.9: 2(-2.54,0) 3(-5.08,0) 4(-7.62,0) 5(-10.16,0) 6(-12.7,0) 7(-15.24,0)
  silkscreen extent -16.51,-1.27 1.27,1.27, body extent -16.62,-13.3 1.38,1.3, height 6
HDR1X6 [mm] "Connector; Header; 6 Position"
  rect 1.8x1.8 hole 1.1: 1(0,0)
  round 1.8 hole 1.1: 2(2.54,0) 3(5.08,0) 4(7.62,0) 5(10.16,0) 6(12.7,0)
  silkscreen extent -1.27,-1.27 13.97,1.27
HDR1X8 [mm] "Connector; Header; 8 Position"
  rect 1.5x1.5 hole 0.9: 1(0,0)
  round 1.5 hole 0.9: 2(2.54,0) 3(5.08,0) 4(7.62,0) 5(10.16,0) 6(12.7,0) 7(15.24,0) 8(17.78,0)
  silkscreen extent -1.27,-1.27 19.05,1.27
HSOP8 [mm]
  oval 2.2x0.6 smd: 1(-2.679,1.905) 2(-2.679,0.635) 3(-2.679,-0.635) 4(-2.679,-1.905) 5(2.679,-1.905) 6(2.679,-0.635) 7(2.679,0.635) 8(2.679,1.905)
  rect 2.05x3.4 smd: 9(0,0)
  silkscreen extent -2.55,-2.5 0.93,2.88, body extent -2,-2.5 2,2.5, height 1.7
INDC1005X04L [mm]
  rect 0.65x0.5 smd: 1(-0.475,0) 2(0.475,0)
  silkscreen extent -0.9,-0.35 0.9,0.35, body extent -0.5,-0.3 0.5,0.3, height 0.5
INDP110100X50N [mm] "Precision Wire Wound Inductor, 2-Leads, Body 11.00x10.00mm, IPC Medium Density"
  rect 2.9x3.6 smd: 1(-4.7,0) 2(4.7,0)
  silkscreen extent -5.5,-5 5.5,5, body extent -5.5,-5 5.5,5, height 5
"LED 0603" [mm] "LED 0603"
  rect 0.9x1 smd: 1(-0.7,0) 2(0.7,0)
  silkscreen extent -1.4,-0.76 1.58,1.08, body extent -0.8,-0.4 0.8,0.4, height 0.6
"Molex PicoBlade 6 Right SMD" [mm] "Molex PicoBlade 6 Right SMD"
  rect 0.8x1.6 smd: 1(0,0) 2(1.25,0) 3(2.5,0) 4(3.75,0) 5(5,0) 6(6.25,0)
  rect 2.1x3 smd: SHD(-2.54,2.667) SHD(8.89,2.667)
  body extent -3.15,-0.16 9.5,5.04, height 3.4
my_BUZZER [mil]
  oct 85x85 hole 51.18: +(300,0) -(0,0)
  silkscreen extent -90,-240 390,240, body extent -87,-236 385,236, height 374
NRF24L01 [mm] "The cheap nrf module"
  rect 1.5x1.5 hole 0.9: 1(0,0)
  round 1.5 hole 0.9: 2(2.54,0) 3(0,-2.54) 4(2.54,-2.54) 5(0,-5.08) 6(2.54,-5.08) 8(2.54,-7.62)
  round 1.5 hole 0.9 paste+0: 7(0,-7.62)
  silkscreen extent -1.27,-8.89 3.81,1.27, body extent -1.63,-13.43 27.37,1.57, height 7.5
NSO8_L [mm] "SOIC, 8-Leads, Body 4.9x3.9mm, Pitch 1.27mm, IPC High Density"
  oval 1.9x0.6 smd: 1(-2.35,1.905) 2(-2.35,0.635) 3(-2.35,-0.635) 4(-2.35,-1.905) 5(2.35,-1.905) 6(2.35,-0.635) 7(2.35,0.635) 8(2.35,1.905)
  silkscreen extent -2.48,-2.5 1,2.88, body extent -1.95,-2.45 1.95,2.45, height 1.75
PW020_N [mm] "TSOP, 20-Leads, Body 6.5x4.4mm, Pitch 0.65mm, IPC Medium Density"
  oval 1.7x0.35 smd: 1(-2.85,2.925) 2(-2.85,2.275) 3(-2.85,1.625) 4(-2.85,0.975) 5(-2.85,0.325) 6(-2.85,-0.325) 7(-2.85,-0.975) 8(-2.85,-1.625) 9(-2.85,-2.275) 10(-2.85,-2.925) 11(2.85,-2.925) 12(2.85,-2.275) 13(2.85,-1.625) 14(2.85,-0.975) 15(2.85,-0.325) 16(2.85,0.325) 17(2.85,0.975) 18(2.85,1.625) 19(2.85,2.275) 20(2.85,2.925)
  silkscreen extent -2.97,-3.3 1.6,3.77, body extent -2.25,-3.3 2.25,3.3, height 1.2
QFN40P600X600X90-48N [mm]
  oval 0.65x0.2 smd: 1(-3.025,2.2) 2(-3.025,1.8) 3(-3.025,1.4) 4(-3.025,1) 5(-3.025,0.6) 6(-3.025,0.2) 7(-3.025,-0.2) 8(-3.025,-0.6) 9(-3.025,-1) 10(-3.025,-1.4) 11(-3.025,-1.8) 12(-3.025,-2.2) 25(3.025,-2.2) 26(3.025,-1.8) 27(3.025,-1.4) 28(3.025,-1) 29(3.025,-0.6) 30(3.025,-0.2) 31(3.025,0.2) 32(3.025,0.6) 33(3.025,1) 34(3.025,1.4) 35(3.025,1.8) 36(3.025,2.2)
  oval 0.2x0.65 smd: 13(-2.2,-3.025) 14(-1.8,-3.025) 15(-1.4,-3.025) 16(-1,-3.025) 17(-0.6,-3.025) 18(-0.2,-3.025) 19(0.2,-3.025) 20(0.6,-3.025) 21(1,-3.025) 22(1.4,-3.025) 23(1.8,-3.025) 24(2.2,-3.025) 37(2.2,3.025) 38(1.8,3.025) 39(1.4,3.025) 40(1,3.025) 41(0.6,3.025) 42(0.2,3.025) 43(-0.2,3.025) 44(-0.6,3.025) 45(-1,3.025) 46(-1.4,3.025) 47(-1.8,3.025) 48(-2.2,3.025)
  rect 4.7x4.7 smd: 49(0,0)
  silkscreen extent -4.02,-3 3,3, body extent -3.02,-3.02 3.02,3.02, height 0.86
QSMO_4200 [mm] "Surface Mount 40MHz Crystal, 7.5mm x 5mm (LxW)"
  rect 2x2 smd: 1(0,0.4) 2(5.08,0.4) 3(5.08,4.6) 4(0,4.6)
  silkscreen extent -1.19,-1.31 6.22,4.95
R0603 [mm]
  rect 0.9x1 smd: 1(-0.7,0) 2(0.7,0)
  silkscreen extent -1.4,-0.76 1.4,0.76
RES-4B [mm]
  rect 0.4x0.889 smd: 1(-1.2,-0.851) 2(-1.2,0.851) 3(-0.4,-0.851) 4(-0.4,0.851) 5(0.4,-0.851) 6(0.4,0.851) 7(1.2,-0.851) 8(1.2,0.851)
  silkscreen extent -1.78,-0.7 1.78,0.7, body extent -1.6,-0.8 1.6,0.8, height 0.5
RES-0603x4 [mm]
  rect 0.45x0.9 smd mask+0.051: 1(0,0) 2(0,1.7) 3(0.8,0) 4(0.8,1.7) 5(1.6,0) 6(1.6,1.7) 7(2.4,0) 8(2.4,1.7)
  silkscreen extent -0.76,0.13 3.17,1.65, body extent -0.41,0.09 2.79,1.69, height 0.51
Rocker_SW [mm] "R1966ABLKBLKGR Rocker switch"
  round 3 hole 2: 1(0,0) 2(6.9,0)
  silkscreen extent -5.21,-20.95 16.71,-0.84, body extent -4.68,-19.88 16.32,0.71, height 15
S4B-XH-A [mm] "4pin Right angel connector"
  rect 1.8x1.8 hole 1.1: 1(-7.62,0)
  round 1.8 hole 1.1: 2(-5.08,0) 3(-2.54,0) 4(0,0)
  silkscreen extent -9.96,-9.09 2.26,2.21, body extent -10.01,-9.16 2.39,2.34, height 6.15
S6B-XH-A [mm] "6pin Right angel connector"
  rect 1.8x1.8 hole 1.1: 1(-7.62,0)
  round 1.8 hole 1.1: 2(-5.08,0) 3(-2.54,0) 4(0,0) 5(2.54,0) 6(5.08,0)
  silkscreen extent -9.96,-9.09 7.34,2.21, body extent -9.92,-9.2 7.48,2.3, height 6.25
S8B-XH-A-1 [mm] "Right angel connector"
  rect 1.8x1.8 hole 1.1: 1(-7.62,0)
  round 1.8 hole 1.1: 2(-5.08,0) 3(-2.54,0) 4(0,0) 5(2.54,0) 6(5.08,0) 7(7.62,0) 8(10.16,0)
  silkscreen extent -9.96,-9.09 12.44,2.21, body extent -9.98,-9.25 12.42,2.25, height 6.1
"SMA Right" [mm]
  round 2 hole 1.4: 1(0,0)
  round 2 hole 1.6: 2(-2.54,-2.54) 2(-2.54,2.54) 2(2.54,-2.54) 2(2.54,2.54)
  body extent -3.5,-3.5 3.5,11.6, height 9.86
SO-8_L [mm] "SOIC, 8-Leads, Body 4.9x3.9mm, Pitch 1.27mm, IPC High Density"
  oval 1.9x0.6 smd: 1(-2.35,1.905) 2(-2.35,0.635) 3(-2.35,-0.635) 4(-2.35,-1.905) 5(2.35,-1.905) 6(2.35,-0.635) 7(2.35,0.635) 8(2.35,1.905)
  silkscreen extent -2.47,-2.5 1,2.88, body extent -1.95,-2.45 1.95,2.45, height 1.75
SOIC_8 [mm]
  rect 1.75x0.65 smd: 1(0,0)
  oval 1.75x0.65 smd: 2(0,-1.27) 3(0,-2.54) 4(0,-3.81) 5(5.6,-3.81) 6(5.6,-2.54) 7(5.6,-1.27) 8(5.6,0)
  silkscreen extent 1.71,-4.45 3.89,0.63
SOT23 [mm]
  rect 0.9x0.95 smd: 1(-0.95,-1.25) 2(0.95,-1.25) 3(0,1.25)
  silkscreen extent -2.07,-1.37 1.3,1.25, body extent -1.5,-1.32 1.5,1.32, height 1.08
SPST-2#1 [mm] "Circuit Breaker; 2 Leads"
  rect 1.85x1.85 hole 1.1: 1(-2.54,0)
  round 1.85 hole 1.1: 2(2.54,0)
  silkscreen extent -4.89,-1.27 4.28,1.27
SPST-2#2 [mm]
  rect 2x2 hole 1.3: 1(-2.9,0)
  round 2 hole 1.3: 2(2.9,0)
  silkscreen extent -4.89,-1.27 4.28,1.27, body extent -3.91,-1.75 3.91,1.75, height 4.7
TO-252 [mm]
  rect 1x2.1 smd: 1(-2.285,-3.375) 3(2.285,-3.375)
  rect 5.4x6.2 smd: 4(0,3.375)
  silkscreen extent -3.08,-4.32 3.09,6.38
TP [mm]
  round 1.5 hole 1: 1(0.25,-0.007)
  silkscreen extent -0.76,-1.02 1.27,1.01
TQ144_L [mm] "Thin QFP, 144-Leads, Body 20x20mm, Pitch 0.5mm, IPC High Density"
  oval 1.55x0.25 smd: 1(-10.525,8.75) 2(-10.525,8.25) 3(-10.525,7.75) 4(-10.525,7.25) 5(-10.525,6.75) 6(-10.525,6.25) 7(-10.525,5.75) 8(-10.525,5.25) 9(-10.525,4.75) 10(-10.525,4.25) 11(-10.525,3.75) 12(-10.525,3.25) 13(-10.525,2.75) 14(-10.525,2.25) 15(-10.525,1.75) 16(-10.525,1.25) 17(-10.525,0.75) 18(-10.525,0.25) 19(-10.525,-0.25) 20(-10.525,-0.75) 21(-10.525,-1.25) 22(-10.525,-1.75) 23(-10.525,-2.25) 24(-10.525,-2.75) 25(-10.525,-3.25) 26(-10.525,-3.75) 27(-10.525,-4.25) 28(-10.525,-4.75) 29(-10.525,-5.25) 30(-10.525,-5.75) 31(-10.525,-6.25) 32(-10.525,-6.75) 33(-10.525,-7.25) 34(-10.525,-7.75) 35(-10.525,-8.25) 36(-10.525,-8.75) 73(10.525,-8.75) 74(10.525,-8.25) 75(10.525,-7.75) 76(10.525,-7.25) 77(10.525,-6.75) 78(10.525,-6.25) 79(10.525,-5.75) 80(10.525,-5.25) 81(10.525,-4.75) 82(10.525,-4.25) 83(10.525,-3.75) 84(10.525,-3.25) 85(10.525,-2.75) 86(10.525,-2.25) 87(10.525,-1.75) 88(10.525,-1.25) 89(10.525,-0.75) 90(10.525,-0.25) 91(10.525,0.25) 92(10.525,0.75) 93(10.525,1.25) 94(10.525,1.75) 95(10.525,2.25) 96(10.525,2.75) 97(10.525,3.25) 98(10.525,3.75) 99(10.525,4.25) 100(10.525,4.75) 101(10.525,5.25) 102(10.525,5.75) 103(10.525,6.25) 104(10.525,6.75) 105(10.525,7.25) 106(10.525,7.75) 107(10.525,8.25) 108(10.525,8.75)
  oval 0.25x1.55 smd: 37(-8.75,-10.525) 38(-8.25,-10.525) 39(-7.75,-10.525) 40(-7.25,-10.525) 41(-6.75,-10.525) 42(-6.25,-10.525) 43(-5.75,-10.525) 44(-5.25,-10.525) 45(-4.75,-10.525) 46(-4.25,-10.525) 47(-3.75,-10.525) 48(-3.25,-10.525) 49(-2.75,-10.525) 50(-2.25,-10.525) 51(-1.75,-10.525) 52(-1.25,-10.525) 53(-0.75,-10.525) 54(-0.25,-10.525) 55(0.25,-10.525) 56(0.75,-10.525) 57(1.25,-10.525) 58(1.75,-10.525) 59(2.25,-10.525) 60(2.75,-10.525) 61(3.25,-10.525) 62(3.75,-10.525) 63(4.25,-10.525) 64(4.75,-10.525) 65(5.25,-10.525) 66(5.75,-10.525) 67(6.25,-10.525) 68(6.75,-10.525) 69(7.25,-10.525) 70(7.75,-10.525) 71(8.25,-10.525) 72(8.75,-10.525) 109(8.75,10.525) 110(8.25,10.525) 111(7.75,10.525) 112(7.25,10.525) 113(6.75,10.525) 114(6.25,10.525) 115(5.75,10.525) 116(5.25,10.525) 117(4.75,10.525) 118(4.25,10.525) 119(3.75,10.525) 120(3.25,10.525) 121(2.75,10.525) 122(2.25,10.525) 123(1.75,10.525) 124(1.25,10.525) 125(0.75,10.525) 126(0.25,10.525) 127(-0.25,10.525) 128(-0.75,10.525) 129(-1.25,10.525) 130(-1.75,10.525) 131(-2.25,10.525) 132(-2.75,10.525) 133(-3.25,10.525) 134(-3.75,10.525) 135(-4.25,10.525) 136(-4.75,10.525) 137(-5.25,10.525) 138(-5.75,10.525) 139(-6.25,10.525) 140(-6.75,10.525) 141(-7.25,10.525) 142(-7.75,10.525) 143(-8.25,10.525) 144(-8.75,10.525)
  silkscreen extent -10.65,-9.35 9.35,9.55, body extent -10,-10 10,10, height 1.6
TYCO [mm] "Maxon motor connector 11pin"
  rect 0.61x2.65 smd: 1(0,0) 2(1,0) 3(2,0) 4(3,0) 5(4,0) 6(5,0) 7(6,0) 8(7.05,0) 9(8,0) 10(9,0) 11(10,0)
  rect 2.68x3.6 smd: 12(-2.984,-3.123) 12(12.991,-3.123)
  body extent -4.46,-6.78 14.47,-0.23, height 2.66
VO20_N [mm] "TSOP, 20-Leads, Body 6.5x4.4mm, Pitch 0.65mm, IPC Medium Density"
  oval 1.7x0.35 smd: 1(-2.85,2.925) 2(-2.85,2.275) 3(-2.85,1.625) 4(-2.85,0.975) 5(-2.85,0.325) 6(-2.85,-0.325) 7(-2.85,-0.975) 8(-2.85,-1.625) 9(-2.85,-2.275) 10(-2.85,-2.925) 11(2.85,-2.925) 12(2.85,-2.275) 13(2.85,-1.625) 14(2.85,-0.975) 15(2.85,-0.325) 16(2.85,0.325) 17(2.85,0.975) 18(2.85,1.625) 19(2.85,2.275) 20(2.85,2.925)
  silkscreen extent -2.97,-3.3 1.6,3.77, body extent -2.25,-3.3 2.25,3.3, height 1.2
XT60PW [mm] "Right Angel XT60 socket"
  oval 2.54x3.302 hole 1.8: 0(-3.15,6) 0(10.35,6)
  oval 4.318x5 hole 3: 1(0,0) 2(7.2,0)
  silkscreen extent -7.01,-1.91 14.07,16.29, body extent -4.17,-1.51 11.33,16.69, height 8.4